# Altium PCB PCB1.PcbDoc
Units mm, origin at the board's own origin, x right, y up, seen from the top; angles counter-clockwise.
Board outline 179.2 x 130.68 mm, 2 copper layers (Top Layer, Bottom Layer); 87 components, 67 nets, 264 pads, 24 vias.
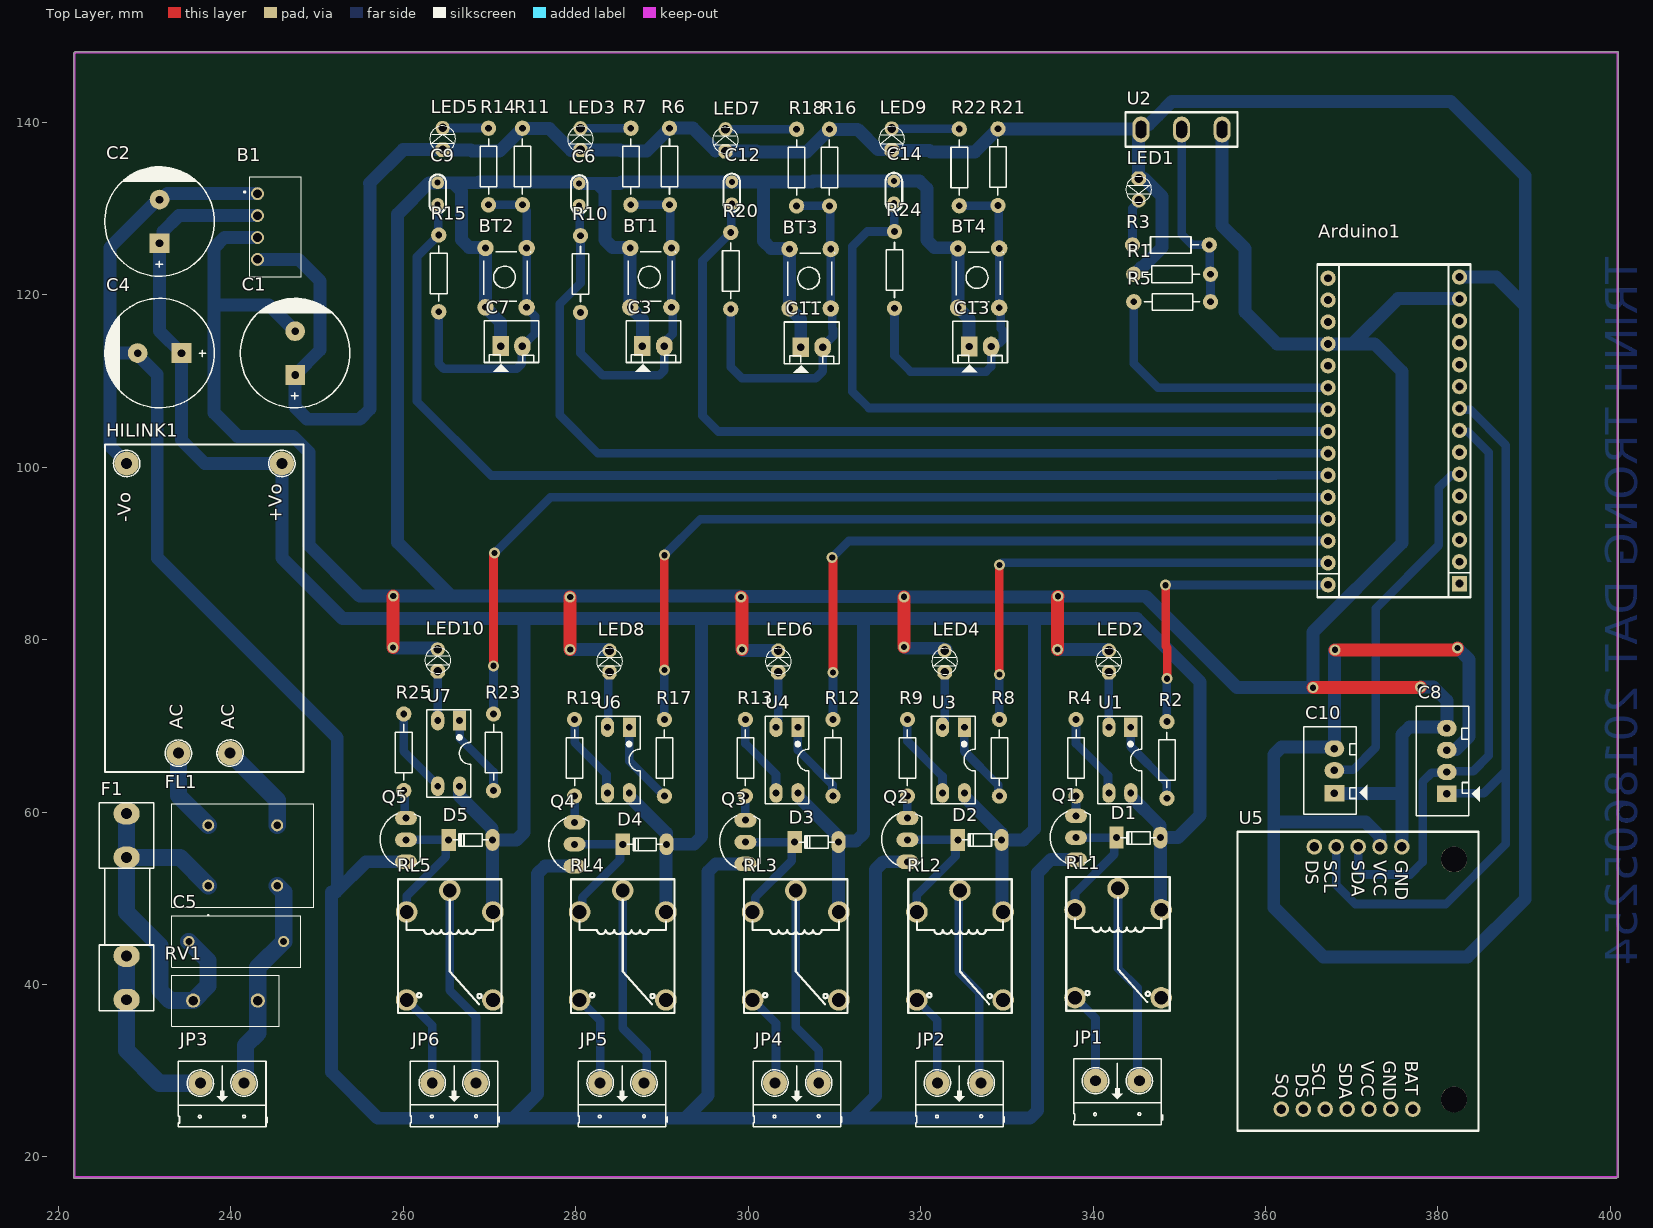
[diagram p0: Top Layer view]
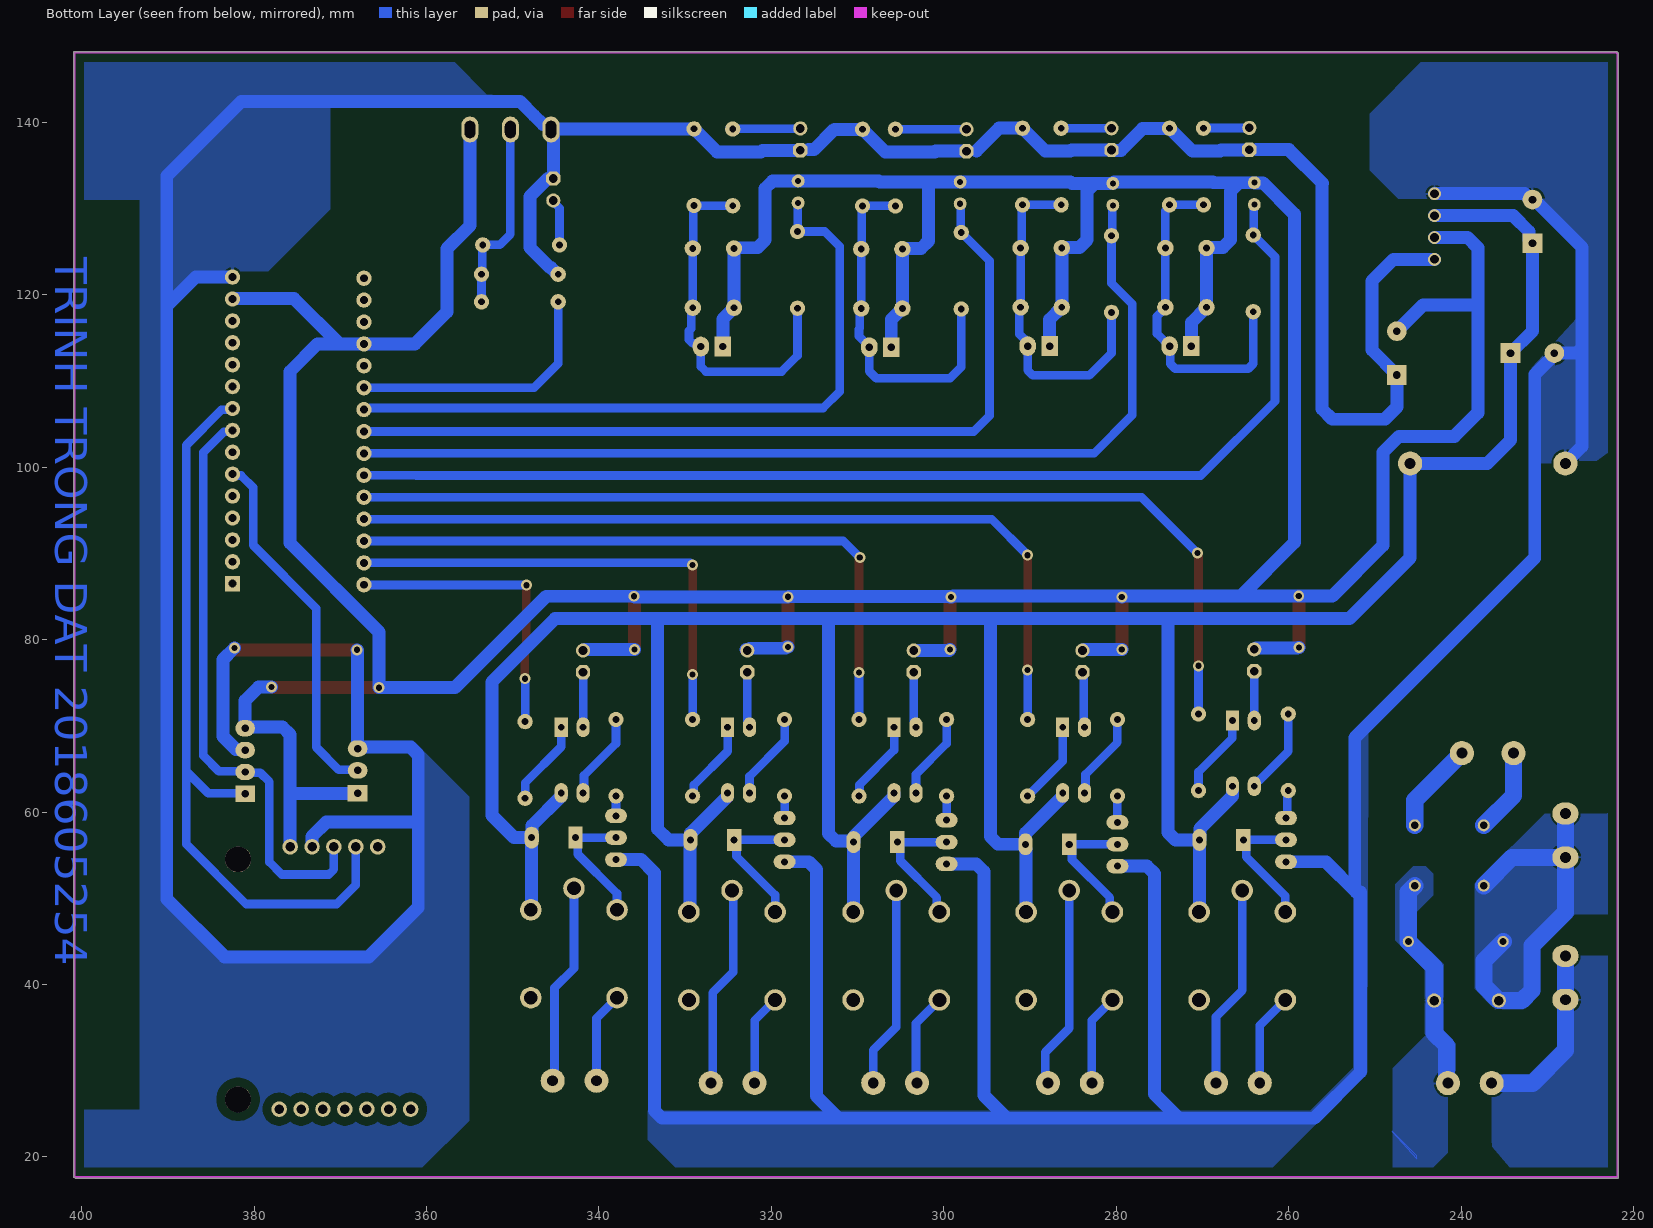
[diagram p1: Bottom Layer view, seen from below]

## Layer stack, top to bottom
Top Solder: solder mask 0.0102, Solder Resist, Dk 3.5
Top Layer: signal copper 0.0356
Dielectric 1: dielectric 0.32, FR-4, Dk 4.8
Bottom Layer: signal copper 0.0356
Bottom Solder: solder mask 0.0102, Solder Resist, Dk 3.5

## Board outline
221.742,17.653 221.742,147.955 cw(c221.869,147.955) 221.779,148.046 221.906,148.172 cw(c221.996,148.083) 221.996,148.209 400.812,148.209 cw(c400.812,148.082) 400.939,148.082 400.939,17.78 cw(c400.812,17.78) 400.902,17.689 400.775,17.563 cw(c400.685,17.652) 400.685,17.526 221.869,17.526 cw(c221.869,17.653)

## Design rules (kind name [scope] priority, off if disabled: settings)
Clearance [All] p1: gap=1 ignorepadtopadclearanceinfootprint=FALSE
PolygonConnect [All] p1: connectstyle=Relief reliefconductorwidth=0.254 reliefentries=4 polygonreliefangle="90 Angle" airgapwidth=0.254
RoutingVias [All] p1: holewidth=0.711 width=1.27 viastyle="Through Hole" minholewidth=0.711 minwidth=1.27 maxholewidth=0.711 maxwidth=1.27
SolderMaskExpansion [All] p1: expansion=0.102 istentingtop=FALSE
Width GND_ISO [InNet('GND_ISO')] p1: maxlimit=1.5 minlimit=1.5 preferedwidth=1.5
Width VCC_ISO [InNet('VCC5_ISO')] p2: maxlimit=1.5 minlimit=1.5 preferedwidth=1.5
Width 0V~ [InNet('0V~')] p3: maxlimit=2 minlimit=2 preferedwidth=2
Width 0V~F1 [InNet('0V~F1')] p4: maxlimit=2 minlimit=2 preferedwidth=2
Width 220V~ [InNet('220V~')] p5: maxlimit=2 minlimit=2 preferedwidth=2
Width 220V~F [InNet('220V~F')] p6: maxlimit=2 minlimit=2 preferedwidth=2
Width 220V~F1 [InNet('220V~F1')] p7: maxlimit=2 minlimit=2 preferedwidth=2
Width GND [InNet('GND')] p8: maxlimit=1.5 minlimit=1.5 preferedwidth=1.5
Width VCC [InNet('VCC5')] p9: maxlimit=1.5 minlimit=1.5 preferedwidth=1.5
Width SIGNAL [All] p10: maxlimit=1 minlimit=1 preferedwidth=1
30 further rules are at their usual default settings.

## Components (designator, comment, footprint, x,y, rotation, side; value= is the part's Value field where it differs from the comment)
Arduino1 "Arduino Nano" "Arduino Nano" 375.641,104.394 r0 top value="Cau 1A"
B1 "B0505S1W" B0505S1W 243.078,131.72 r270 top
BT1 "SET_CLOSE" "Nut Nhan 4 Chan Cam 6x6" 286.106,118.872 r90 top
BT2 "SET_CLOSE" "Nut Nhan 4 Chan Cam 6x6" 269.316,118.872 r90 top
BT3 "SET_CLOSE" "Nut Nhan 4 Chan Cam 6x6" 304.597,118.745 r90 top
BT4 "SET_CLOSE" "Nut Nhan 4 Chan Cam 6x6" 324.129,118.821 r90 top
C1 "Cap Pol3" CP2/5 247.447,110.693 r90 top value=C?
C2 "Cap Pol3" CP2/5 231.715,125.959 r90 top value=C?
C3 "Header2" Header2 287.731,114.046 r0 top
C4 "Cap Pol3" CP2/5 234.255,113.233 r180 top value=C?
C5 "R46KF3100JMP0K" R46KF3100JMP0K 246.114,44.983 r180 top
C6 "104" "tu gom" 280.391,131.648 r90 top
C7 "Header2" Header2 271.272,114.046 r0 top
C8 "LCD_I2C" Header4 381.038,62.103 r90 top
C9 "104" "tu gom" 263.982,131.724 r90 top
C10 "Header3" Header3 367.995,62.281 r90 top
C11 "Header2" Header2 306.095,113.919 r0 top
C12 "104" "tu gom" 298.094,131.826 r90 top
C13 "Header2" Header2 325.628,113.995 r0 top
C14 "104" "tu gom" 316.89,131.931 r90 top
D1 "100v" "DIODE 0.5A" 345.262,57.023 r0 top
D2 "100v" "DIODE 0.5A" 326.847,56.769 r0 top
D3 "100v" "DIODE 0.5A" 307.924,56.515 r0 top
D4 "100v" "DIODE 0.5A" 287.985,56.261 r0 top
D5 "100v" "DIODE 0.5A" 267.792,56.769 r0 top
F1 "F1A" Fuse 227.889,49.022 r90 top value=Fuse
FL1 "UU9.8-10MH" UU9810MH 237.364,51.46 r90 top
HILINK1 "HILINK" HILINK_1W 225.403,77.327 r90 top
JP1 "Header 2_1" HED2 345.362,28.829 r180 top value="Header 2"
JP2 "Header 2_1" HED2 327.025,28.575 r180 top value="Header 2"
JP3 "Header 2_1" HED2 241.523,28.55 r180 top value="Header 2"
JP4 "Header 2_1" HED2 308.178,28.575 r180 top value="Header 2"
JP5 "Header 2_1" HED2 287.909,28.575 r180 top value="Header 2"
JP6 "Header 2_1" HED2 268.427,28.575 r180 top value="Header 2"
LED1 "LED 3mm" LED-3MM-BLUE 345.287,132.08 r270 top
LED2 "LED 3mm" LED-3MM-BLUE 341.833,77.597 r90 top
LED3 "LED 3mm" LED-3MM-BLUE 280.543,138.176 r90 top
LED4 "LED 3mm" LED-3MM-BLUE 322.783,77.597 r90 top
LED5 "LED 3mm" LED-3MM-BLUE 264.555,138.214 r90 top
LED6 "LED 3mm" LED-3MM-BLUE 303.479,77.597 r90 top
LED7 "LED 3mm" LED-3MM-BLUE 297.358,138.049 r90 top
LED8 "LED 3mm" LED-3MM-BLUE 283.921,77.597 r90 top
LED9 "LED 3mm" LED-3MM-BLUE 316.636,138.151 r90 top
LED10 "LED 3mm" LED-3MM-BLUE 263.982,77.724 r90 top
Q1 "C1815" C1815_cam 338.023,57.023 r90 top
Q2 "C1815" C1815_cam 318.465,56.769 r90 top
Q3 "C1815" C1815_cam 299.669,56.515 r90 top
Q4 "C1815" C1815_cam 279.857,56.261 r90 top
Q5 "C1815" C1815_cam 260.299,56.769 r90 top
R1 "47K" R1/4W 353.619,122.377 r180 top value="R1/4W - 1K"
R2 "100R" R1/4W 348.564,70.485 r270 top value="R1/4W - 1K"
R3 "100R" R1/4W 353.467,125.781 r180 top value="R1/4W - 1K"
R4 "510R" R1/4W 338.023,70.739 r270 top value="R1/4W - 1K"
R5 "1K" R1/4W 344.729,119.177 r0 top value="R1/4W - 1K"
R6 "47K" R1/4W 290.868,130.429 r90 top value="R1/4W - 1K"
R7 "100R" R1/4W 286.385,130.429 r90 top value="R1/4W - 1K"
R8 "100R" R1/4W 329.133,70.739 r270 top value="R1/4W - 1K"
R9 "510R" R1/4W 318.465,70.739 r270 top value="R1/4W - 1K"
R10 "4.7K" R1/4W 280.543,126.848 r270 top value="R1/4W - 1K"
R11 "47K" R1/4W 273.812,130.429 r90 top value="R1/4W - 1K"
R12 "100R" R1/4W 309.829,70.739 r270 top value="R1/4W - 1K"
R13 "510R" R1/4W 299.669,70.739 r270 top value="R1/4W - 1K"
R14 "100R" R1/4W 269.875,130.429 r90 top value="R1/4W - 1K"
R15 "4.7K" R1/4W 264.098,126.924 r270 top value="R1/4W - 1K"
R16 "47K" R1/4W 309.423,130.302 r90 top value="R1/4W - 1K"
R17 "100R" R1/4W 290.271,70.739 r270 top value="R1/4W - 1K"
R18 "100R" R1/4W 305.613,130.302 r90 top value="R1/4W - 1K"
R19 "510R" R1/4W 279.857,70.739 r270 top value="R1/4W - 1K"
R20 "4.7K" R1/4W 297.98,127.229 r270 top value="R1/4W - 1K"
R21 "47K" R1/4W 328.968,130.353 r90 top value="R1/4W - 1K"
R22 "100R" R1/4W 324.485,130.327 r90 top value="R1/4W - 1K"
R23 "510R" R1/4W 270.459,71.374 r270 top value="R1/4W - 1K"
R24 "4.7K" R1/4W 316.967,127.33 r270 top value="R1/4W - 1K"
R25 "510R" R1/4W 260.045,71.374 r270 top value="R1/4W - 1K"
RL1 "Relay" RELAY_SRA_05VDC_CL 342.898,44.704 r270 top
RL2 "Relay" RELAY_SRA_05VDC_CL 324.561,44.45 r270 top
RL3 "Relay" RELAY_SRA_05VDC_CL 305.511,44.45 r270 top
RL4 "Relay" RELAY_SRA_05VDC_CL 285.445,44.45 r270 top
RL5 "Relay" RELAY_SRA_05VDC_CL 265.379,44.45 r270 top
RV1 "10D561K" 10D561K 243.114,38.125 r180 top
U1 "PC817" DIP4/W0.3 344.373,69.837 r180 top
U2 "SPDT SWITCH MTS-102" "SPDT SWITCH  MTS-102" 350.264,139.168 r180 top
U3 "PC817" DIP4/W0.3 325.069,69.837 r180 top
U4 "PC817" DIP4/W0.3 305.765,69.837 r180 top
U5 "DS1307_Module" "DS1307 MODULE" 386.506,53.029 r270 top
U6 "PC817" DIP4/W0.3 286.207,69.837 r180 top
U7 "PC817" DIP4/W0.3 266.522,70.612 r180 top

## Footprints (in the part's own frame and the unit in brackets; to place one, negate y for a bottom-side part, rotate by r counter-clockwise, add the part's x,y. Pads: shape width x height; smd on the part's side, far side on the other; paste and mask are expansions set on the pad)
10D561K [mm]
  round 1.65 hole 1.1: 1(0,0) 2(7.5,0)
  silkscreen extent -2.5,-2.95 10,2.95, body extent -2.5,-2.95 10,2.95, height 15.6
"Arduino Nano" [mil]
  round 70 hole 36: 3V3(270,-605) 5V(270,395) A0(270,-405) A1(270,-305) A2(270,-205) A3(270,-105) A4(270,-5) A5(270,95) A6(270,195) A7(270,295) D2(-330,290) D3(-330,190) D4(-330,90) D5(-330,-10) D6(-330,-110) D7(-330,-210) D8(-330,-310) D9(-330,-410) D10(-330,-510) D11(-330,-610) D12(-330,-710) GND(-330,390) GND(270,595) REF(270,-505) RST(-330,490) RST(270,495) RX0(-330,590) TX1(-330,690) VIN(270,695)
  rect 70x70 hole 36: D13(270,-705)
  silkscreen extent -380,-770 320,755, body extent -380,-924 320,844, height 834
B0505S1W [mm]
  round 1.5 hole 1: 1(0,0) 2(2.54,0) 3(5.08,0) 4(7.62,0)
  silkscreen extent -1.99,-1.6 9.61,5.1, body extent -1.99,-0.9 9.61,5.1, height 10.1
C1815_cam [mil]
  oval 66x100 hole 32: 1(-100,0) 2(0,0) 3(100,0)
  silkscreen extent -117,-65 120,118, body extent -109,-66 109,95, height 245
CP2/5 [mil]
  rect 90x90 hole 35: 1(0,0)
  round 90 hole 35: 2(200,0)
  silkscreen extent -150,-250 350,250, body extent -142,-246 350,246, height 984
"DIODE 0.5A" [mil] "Diode muoi, xung"
  oval 65x100 hole 32: 1(100,0)
  rect 65x100 hole 32: 2(-100,0)
  silkscreen extent -80,-30 80,28, body extent -108,-33 108,32, height 61
DIP4/W0.3 [mil]
  rect 60x90 hole 31: 1(0,0)
  oval 60x90 hole 31: 2(100,0) 3(100,300) 4(0,300)
  silkscreen extent -50,-50 150,350, body extent -59,-10 159,305, height 170
"DS1307 MODULE" [mm]
  round 1.8 hole 1.1: 1(-2.938,-10.688) 2(-2.938,-13.228) 3(-2.938,-15.768) 4(-2.938,-18.308) 5(-2.938,-20.848) 6(27.502,-24.658) 7(27.502,-22.118) 8(27.502,-19.578) 9(27.502,-17.038) 10(27.502,-14.498) 11(27.502,-11.958) 12(27.502,-9.418)
  round 3 hole 3 unplated: ""(-1.488,-4.648) ""(26.362,-4.648)
  silkscreen extent -4.69,-29.74 30,-1.8
Fuse [mil]
  oval 100x120 hole 50: 1(-425,0) 1(-225,0) 2(225,0) 2(425,0)
  silkscreen extent -475,-125 475,125, body extent -448,-117 459,127, height 378
Header2 [mil] "CON2"
  rect 75x90 hole 34: 1(0,0)
  oval 75x90 hole 34: 2(100,0)
  silkscreen extent -75,-118 175,115, body extent -68,-70 168,107, height 236
Header3 [mil] "CON 3"
  rect 75x90 hole 34: 1(-5,0)
  oval 75x90 hole 34: 2(100,0) 3(200,0)
  silkscreen extent -100,-150 300,140, body extent -95,-90 295,136, height 276
Header4 [mil] "CON4"
  rect 75x90 hole 34: 1(0,0)
  oval 75x90 hole 34: 2(100,0) 3(200,0) 4(300,0)
  silkscreen extent -100,-150 400,140, body extent -90,-90 398,136, height 276
HED2 [mil]
  round 110 hole 50: 1(0,0) 2(200,0)
  silkscreen extent -106,-100 300,200, body extent -92,-140 302,155, height 394
HILINK_1W [mil]
  round 110 hole 50: 1(-413.39,-334.65) 2(-413.39,-570.87) 3(909.45,-98.43) 4(909.45,-807.09)
  silkscreen extent -500,-906 996,0, body extent -505,-911 1001,5
LED-3MM-BLUE [mil]
  oct 65x65 hole 40: 1(-55,0)
  round 65 hole 40: 2(45,0)
  silkscreen extent -64,-59 54,59, body extent -72,-65 54,65, height 184
"Nut Nhan 4 Chan Cam 6x6" [mil] "SW button 4pin, 250 x250 mil"
  round 75 hole 31: 1(-13,-8) 1(258,-8) 2(-13,-196) 2(258,-196)
  silkscreen extent 15,-215 240,0, body extent -31,-225 281,19, height 276
R1/4W [mil]
  round 70 hole 31: 1(0,0) 2(350,0)
  silkscreen extent 48,-38 302,38, body extent -40,-47 386,47, height 111
R46KF3100JMP0K [mm]
  round 1.3 hole 0.8: 1(0,0) 2(11,0)
  silkscreen extent -2,-3 13,3
RELAY_SRA_05VDC_CL [mm]
  round 2.5 hole 1.6: 1(6.25,-5) 2(6.25,5) 3(-3.951,5) 4(-6.45,-0.001) 5(-3.951,-5)
  silkscreen extent -7.75,-6 7.75,6
"SPDT SWITCH  MTS-102" [mm]
  oval 2x3 hole 1.25 slot 2 at 90 deg: 1(-0.005,0.004)
  oval 2x3 hole 1.25 slot 2.002 at 90 deg: 2(-4.701,0.001) 3(4.699,0.001)
  silkscreen extent -6.5,-2 6.5,2
"tu gom" [mm] "Tu gom mini"
  round 1.5 hole 0.7: 1(-1.27,0) 2(1.27,0)
  silkscreen extent -2.25,-0.97 2.22,0.97, body extent -2.92,-0.85 2.92,0.85, height 6.12
UU9810MH [mm]
  round 1.4 hole 0.9: 1(0,0) 2(7,0) 3(7,-8) 4(0,-8)
  silkscreen extent -3.5,-12.25 9.5,4.25, body extent -2.5,-12.25 9.5,4.25, height 17.1

## Part data
Arduino1: "Arduino NANO"
B1: "Power Supply", Manufacturer_Name=Mornsun, Manufacturer_Part_Number=B0505S-1W, Datasheet Link=https://www.mornsun-power.com/uploads/pdf/B_D-1W.pdf, Height=10.41mm
BT1 BT2 BT3 BT4: library part "Nut Nhan 4 Chan Cam 6x6", "Nut Nhan 4 Chan 6x6mm", Ma_Hang=MH004584, Ten="Nút Nhấn 4 Chân 6x6x5MM DIP"
C1 C2 C4: "Polarized Capacitor (Surface Mount)", LatestRevisionDate=17-Jul-2002, LatestRevisionNote="Re-released for DXP Platform.", PackageReference=C0805, Publisher="Altium Limited"
C3 C7 C11 C13: "Header IDC, 2 x 1 Pin Vertical 2.54mm Pitch (Non-Boxed, Male)", Manufacturer="W¨¹rth Elektronik eiSos GmbH", partNo=613002143121, ComponentLink1 Description=Manufacturer, ComponentLink1URL=http://www.we-online.com, ComponentLink2 Description=Datasheet, ComponentLink2URL=http://katalog.we-online.de/em/datasheet/6130xx143121.pdf, Created by="Karrer Zheng", Created Date="29 March 2013", NoPins=02
C5: "Capacitor", Manufacturer_Name=Kemet, Mouser Part Number=80-R46KF3100JMP0K, Datasheet Link=https://api.kemet.com/component-edge/download/specsheet/R46KF3100JMP0K.pdf, Height=12.1mm, Manufacturer_Part_Number=R46KF3100JMP0K, Mouser Price/Stock=https://www.mouser.co.uk/ProductDetail/KEMET/R46KF3100JMP0K/?qs=gt1LBUVyoHk5JqGpZKIGRw%3D%3D
C6 C9 C12 C14: library part "Tu gom 104 50V", "Cắm", Chung_Loai=Cắm, Don_Vi=Con, Ma_Hang=MH004761, So_Chan=2, Ten_Linh_Kien="Tụ gốm 104 100nF 50V"
C8: library part Header4, "Header IDC, 4 x 1 Pin Vertical 2.54mm Pitch (Non-Boxed, Male)", Manufacturer="W¨¹rth Elektronik eiSos GmbH", partNo=613002143121, ComponentLink1 Description=Manufacturer, ComponentLink1URL=http://www.we-online.com, ComponentLink2 Description=Datasheet, ComponentLink2URL=http://katalog.we-online.de/em/datasheet/6130xx143121.pdf, Created by="Karrer Zheng", Created Date="29 March 2013", NoPins=02
C10: "Header IDC, 3 x 1 Pin Vertical 2.54mm Pitch (Non-Boxed, Male)", Manufacturer="W¨¹rth Elektronik eiSos GmbH", partNo=613002143121, ComponentLink1 Description=Manufacturer, ComponentLink1URL=http://www.we-online.com, ComponentLink2 Description=Datasheet, ComponentLink2URL=http://katalog.we-online.de/em/datasheet/6130xx143121.pdf, Created by="Karrer Zheng", Created Date="29 March 2013", NoPins=02
D1 D2 D3 D4 D5: library part "Diode 1N4148", "Cắm", Chung_Loai=Cắm, Don_Vi=Con, Ma_Hang=MH001065, Ten_Linh_Kien="Diode 1N4148 DO35 450mA 100V ( 1N4148 DIP)"
F1: library part Fuse, "Fuse", Designed by=VanDungEvn
FL1: "Filter", Manufacturer_Name="Guangdong Fenghua Advanced Tech", Datasheet Link=https://datasheet.lcsc.com/szlcsc/1811111206_Guangdong-Fenghua-Advanced-Tech-UU9-8-10mH_C148474.pdf, Height=17mm, Manufacturer_Part_Number=UU9.8-10MH
JP1 JP2 JP3 JP4 JP5 JP6: "Header, 2-Pin", Manufacturer="Generic Components", Class=Connector
LED1 LED2 LED3 LED4 LED5 LED6 LED7 LED8 LED9 LED10: library part "LED 3mm Xanh Duong", "Cắm", Chung_Loai=Cắm, Don_Vi=Con, Ma_Hang=MH009003, Ten_Linh_Kien="LED 3MM Xanh Dương SS (1000c)"
Q1 Q2 Q3 Q4 Q5: "NPN 600mW, ECB"
R1 R2 R3 R4 R5 R6 R7 R8 R9 R10 R11 R12 R13 R14 R15 R16 R17 R18 R19 R20 R21 R22 R23 R24 R25: library part R1/4W, "Resistor 1/4W"
RL1 RL2 RL3 RL4 RL5: library part RL_SRA-05VDC-CL, "Relay 5 Chan", Ma_Hang=MH009374, Ten="Relay 5V10A SRD-05VDC-SL-C Chính Hãng"
RV1: "Varistor", Arrow Part Number=MOV-10D561K, Manufacturer_Name=Bourns, Mouser Part Number=652-MOV-10D561K, Arrow Price/Stock=https://www.arrow.com/en/products/mov-10d561k/bourns, Datasheet Link=https://www.bourns.com/docs/Product-Datasheets/MOV10D.pdf, Height=15.5mm, Manufacturer_Part_Number=MOV-10D561K, Mouser Price/Stock=https://www.mouser.co.uk/ProductDetail/Bourns/MOV-10D561K?qs=lgttKnAd%252B2ArrqGQgWwr6w%3D%3D
U1 U3 U4 U6 U7: "Single Opto"

## Via types
v1: diameter 1.27, hole 0.711, Top Layer to Bottom Layer, 24 vias

## Nets (pads, with @x,y where several pads share a name; then routed paths per layer and width w, separated by ;. In a path a pad name is that pad's centre, name@x,y a point inside that pad or via, vN(x,y) a via of type N, cw(c..) or ccw(c..) an arc to the next point about the centre after c; other vN are vias at no path point)
0V~: C5.1 FL1.4 JP3.1 RV1.1 | length 25.1
  Bottom Layer w2: JP3.1 241.675,28.702 241.675,32.916 243.114,34.355 RV1.1 243.114,41.983 C5.1 246.114,50.71 FL1.4
0V~F1: FL1.3 HILINK1.2 | length 10.6
  Bottom Layer w2: HILINK1.2 245.364,61.366 FL1.3
220V~: F1.1 JP3.2 | length 21.1
  Bottom Layer w2: F1.1@227.889,43.307 227.889,38.227 227.889,32.36 231.699,28.55 JP3.2
220V~F: C5.2 F1.2 FL1.1 RV1.2 | length 45.8
  Bottom Layer w2: F1.2@227.889,59.817 F1.2@227.889,54.737 ; C5.2 237.338,42.76 237.338,39.849 RV1.2 232.947,38.125 231.775,39.297 231.775,44.501 227.889,48.387 F1.2@227.889,54.737 ; FL1.1 234.087,54.737 F1.2@227.889,54.737
220V~F1: FL1.2 HILINK1.1 | length 9.8
  Bottom Layer w2: HILINK1.1 233.903,61.921 FL1.2
GND: B1.1 C2.2 C4.2 HILINK1.3 Q1.1 Q2.1 Q3.1 Q4.1 Q5.1 | length 370.8
  Bottom Layer w1.5: 225.958,113.513 225.958,102.41 227.903,100.466 HILINK1.3 ; B1.1 232.609,131.72 231.928,131.039 231.502,131.039 225.958,125.495 225.958,113.868 226.593,113.233 C4.2 229.175,113.021 231.447,110.749 231.447,89.482 252.326,68.603 252.326,50.875 ; 251.663,50.722 251.663,29.845 257.025,24.483 272.745,24.483 ; 252.173,50.722 255.68,54.229 Q5.1 ; Q4.1 276.418,53.721 275.539,52.842 275.539,27.277 272.745,24.483 ; Q3.1 296.23,53.975 295.351,53.096 295.351,27.15 292.684,24.483 ; Q2.1 315.661,54.229 314.782,53.35 314.782,27.051 312.242,24.511 ; Q1.1 335.102,54.483 333.578,52.959 333.578,25.39 332.7,24.511 312.242,24.511 ; 272.745,24.483 292.684,24.483 ; 292.684,24.483 312.214,24.483 312.242,24.511
GND_ISO: Arduino1.GND B1.3 BT1.1 BT2.1 BT3.1 BT4.1 C1.2 C3.1 C6.2 C7.1 C8.4 C9.2 C10.1 C11.1 C12.2 C13.1 C14.2 LED2.2 LED4.2 LED6.2 LED8.2 LED10.2 U2.2 U5.1 | length 582
  Top Layer w1.5: v1(258.801,79.07) 258.801,85.014 v1(258.826,85.039) ; v1(279.349,78.867) v1(279.349,84.923) ; v1(299.161,84.923) 299.288,84.796 v1(299.288,78.867) ; v1(318.084,79.121) v1(318.084,84.963) ; v1(335.864,78.867) 335.864,84.963 v1(335.928,85.026) ; v1(365.495,74.422) 377.901,74.422 v1(377.977,74.498)
  Bottom Layer w1.5: B1.3 239.238,126.64 238.049,125.451 238.049,118.694 ; C1.2 244.427,118.793 238.148,118.793 238.049,118.694 ; v1(258.801,79.07) 258.928,79.07 258.978,79.019 263.789,79.019 263.941,78.867 LED10.2 ; C7.1 271.272,116.789 269.519,118.542 269.519,125.425 269.442,125.503 267.616,125.503 266.737,126.381 266.737,132.017 265.76,132.994 ; v1(279.349,78.867) 283.753,78.867 283.88,78.74 LED8.2 ; C3.1 287.731,117.119 286.309,118.542 286.309,125.425 286.231,125.503 284.241,125.503 283.362,126.381 283.362,132.04 282.484,132.918 ; v1(299.288,78.867) 299.415,78.74 LED6.2 ; C11.1 306.095,117.119 304.8,118.415 304.8,125.298 304.723,125.376 302.631,125.376 301.752,126.254 301.752,132.69 301.346,133.096 ; v1(318.084,79.121) 318.211,79.121 318.338,78.994 322.488,78.994 322.742,78.74 LED4.2 322.824,78.74 LED4.2@322.951,78.867 ; LED4.2@322.812,78.81 LED4.2@322.846,78.776 ; C13.1 325.628,117.196 324.333,118.491 324.333,125.374 324.255,125.452 321.604,125.452 320.726,126.331 320.726,132.322 319.847,133.201 C14.2 307.545,133.201 307.44,133.096 301.346,133.096 ; v1(335.864,78.867) 341.665,78.867 341.792,78.74 LED2.2 ; U2.2 354.965,128.015 357.645,125.336 357.645,117.996 361.34,114.3 367.259,114.3 370.129,114.3 ; C10.1 375.666,62.154 375.818,62.001 ; U5.1 375.818,62.001 ; v1(377.977,74.498) 379.465,74.498 381.038,72.925 C8.4 380.837,69.723 380.71,69.85 376.697,69.85 375.818,68.971 375.818,62.001 ; Arduino1.GND@382.499,119.507 382.459,119.547 375.376,119.547 370.129,114.3 ; 238.049,118.694 238.049,106.299 240.773,103.574 247.207,103.574 249.05,101.731 249.05,90.929 254.94,85.039 v1(258.826,85.039) 265.554,85.039 265.557,85.042 ; 265.557,85.042 279.23,85.042 v1(279.349,84.923) 279.491,85.065 298.933,85.065 299.074,84.923 299.248,84.923 299.339,85.014 318.033,85.014 v1(318.084,84.963) 335.864,84.963 v1(335.928,85.026) 346.113,85.026 356.718,74.422 v1(365.495,74.422) 365.495,80.864 375.844,91.213 375.844,111.1 372.643,114.3 370.129,114.3 ; 265.557,85.042 259.334,91.265 259.334,129.342 262.947,132.954 263.942,132.954 C9.2 265.76,132.994 ; 265.76,132.994 268.708,132.994 268.782,133.068 280.241,133.068 C6.2 282.484,132.918 ; 282.484,132.918 285.142,132.918 285.32,133.096 C12.2 301.346,133.096
INC: Arduino1.D5 C12.1 R20.1 | length 99.3
  Bottom Layer w1: C12.1 298.037,130.499 298.037,127.286 R20.1 294.691,123.939 294.691,105.969 296.52,104.14 Arduino1.D5
LIGHT_SS: Arduino1.A2 C10.2 | length 42.1
  Bottom Layer w1: C10.2 368.083,64.908 370.197,64.908 372.796,67.507 372.796,83.617 380.11,90.931 380.11,97.637 381.511,99.038 382.35,99.038 Arduino1.A2
MODE: Arduino1.D3 R5.1 | length 30.8
  Bottom Layer w1: R5.1 344.729,112.014 347.523,109.22 Arduino1.D3
NetBT1_2: BT1.2 C3.2 R6.1 R7.1 R10.2 | length 40
  Bottom Layer w1: R10.2 280.543,113.228 283.129,110.642 289.685,110.642 290.271,111.228 290.271,114.481 291.236,115.447 291.236,118.389 291.084,118.542 291.084,125.425 290.976,125.533 290.976,130.321 R6.1 R7.1
NetBT2_2: BT2.2 C7.2 R11.1 R14.1 R15.2 | length 39.8
  Bottom Layer w1: R15.2 264.098,111.989 264.684,111.403 273.15,111.403 273.736,111.989 273.736,113.97 275.26,115.494 275.26,117.504 274.295,118.469 274.295,118.542 274.295,125.425 274.295,129.736 273.812,130.218 R11.1 R14.1
NetBT3_2: BT3.2 C11.2 R16.1 R18.1 R20.2 | length 41.9
  Bottom Layer w1: R20.2 297.993,118.326 297.993,111.582 299.263,110.312 307.823,110.312 308.635,111.125 C11.2 308.635,113.995 309.829,115.189 309.829,116.017 309.748,116.098 309.748,118.242 309.575,118.415 309.575,125.298 309.499,125.374 309.499,130.226 R16.1 R18.1
NetBT4_2: BT4.2 C13.2 R21.1 R22.1 R24.2 | length 42
  Bottom Layer w1: R24.2 316.967,112.945 318.822,111.089 327.582,111.089 328.168,111.675 C13.2 328.532,114.359 329.132,114.359 329.556,114.783 329.556,115.798 329.281,116.073 329.281,118.318 329.108,118.491 329.108,125.374 329.038,125.444 329.038,130.283 R21.1 328.955,130.34 324.497,130.34 R22.1
NetD1_2: D1.2 Q1.2 RL1.5 | length 15.1
  Bottom Layer w1: RL1.5 337.898,50.548 342.455,55.105 342.455,56.756 D1.2 Q1.2
NetD2_2: D2.2 Q2.2 RL2.5 | length 16.2
  Bottom Layer w1: Q2.2 D2.2 324.04,56.502 324.04,54.851 319.561,50.372 RL2.5
NetD3_2: D3.2 Q3.2 RL3.5 | length 15.8
  Bottom Layer w1: Q3.2 D3.2 305.059,56.19 305.059,54.338 300.798,50.077 300.798,48.688 RL3.5
NetD4_2: D4.2 Q4.2 RL4.5 | length 15.5
  Bottom Layer w1: Q4.2 D4.2 285.12,55.936 285.12,54.465 280.732,50.077 280.732,48.688 RL4.5
NetD5_2: D5.2 Q5.2 RL5.5 | length 15.3
  Bottom Layer w1: Q5.2 D5.2 264.927,56.444 264.927,54.793 260.402,50.267 260.402,48.423 RL5.5
NetJP1_1: JP1.1 RL1.4 | length 23.3
  Bottom Layer w1: RL1.4 342.897,41.862 345.148,39.611 345.148,29.043 JP1.1
NetJP1_2: JP1.2 RL1.1 | length 10.6
  Bottom Layer w1: RL1.1 340.282,36.07 JP1.2
NetJP2_1: JP2.1 RL2.4 | length 23.5
  Bottom Layer w1: RL2.4 324.434,50.774 324.434,41.402 326.811,39.025 326.811,28.789 JP2.1
NetJP2_2: JP2.2 RL2.1 | length 10.6
  Bottom Layer w1: RL2.1 321.945,35.816 JP2.2
NetJP4_1: JP4.1 RL3.4 | length 23.4
  Bottom Layer w1: RL3.4 305.51,35.053 308.178,32.385 JP4.1
NetJP4_2: JP4.2 RL3.1 | length 10.8
  Bottom Layer w1: RL3.1 303.225,35.486 303.225,28.702 JP4.2
NetJP5_1: JP5.1 RL4.4 | length 23.6
  Bottom Layer w1: RL4.4 285.444,34.926 288.239,32.131 288.239,28.905 JP5.1
NetJP5_2: JP5.2 RL4.1 | length 10.6
  Bottom Layer w1: RL4.1 282.829,35.816 JP5.2
NetJP6_1: JP6.1 RL5.4 | length 23.6
  Bottom Layer w1: RL5.4 265.378,39.312 268.427,36.263 JP6.1
NetJP6_2: JP6.2 RL5.1 | length 10.9
  Bottom Layer w1: RL5.1 263.347,35.232 JP6.2
NetLED1_2: LED1.2 R3.2 | length 5.5
  Bottom Layer w1: R3.2 344.577,130.05 345.287,130.761 LED1.2
NetLED2_1: LED2.1 U1.2 | length 6.4
  Bottom Layer w1: U1.2 LED2.1
NetLED3_2: LED3.2 R7.2 | length 5.9
  Bottom Layer w1: LED3.2@280.518,139.167 LED3.2@280.556,139.205 ; LED3.2 R7.2 R7.2@286.347,139.281
NetLED4_1: LED4.1 U3.2 | length 6.5
  Bottom Layer w1: U3.2 322.529,70.36 322.783,70.614 LED4.1
NetLED5_2: LED5.2 R14.2 | length 5.3
  Bottom Layer w1: LED5.2 264.574,139.338 269.856,139.338 R14.2
NetLED6_1: LED6.1 U4.2 | length 6.5
  Bottom Layer w1: U4.2 303.225,70.36 303.479,70.614 LED6.1
NetLED7_2: LED7.2 R18.2 | length 8.3
  Bottom Layer w1: LED7.2 R18.2
NetLED8_1: LED8.1 U6.2 | length 6.5
  Bottom Layer w1: U6.2 283.767,69.938 283.767,76.046 LED8.1
NetLED9_2: LED9.2 R22.2 | length 8
  Bottom Layer w1: LED9.2@316.687,139.344 LED9.2 316.674,139.255 324.447,139.255 R22.2 ; R22.2@324.841,139.192 R22.2@324.891,139.243
NetLED10_1: LED10.1 U7.2 | length 5.7
  Bottom Layer w1: U7.2 LED10.1
NetQ1_3: Q1.3 R4.2 | length 2.3
  Bottom Layer w1: Q1.3 R4.2
NetQ2_3: Q2.3 R9.2 | length 2.5
  Bottom Layer w1: Q2.3 R9.2
NetQ3_3: Q3.3 R13.2 | length 2.8
  Bottom Layer w1: Q3.3 R13.2
NetQ4_3: Q4.3 R19.2 | length 3
  Bottom Layer w1: Q4.3 R19.2
NetQ5_3: Q5.3 R25.2 | length 3.5
  Bottom Layer w1: R25.2 260.172,62.357 260.172,59.436 Q5.3 Q5.3@260.05,59.309
NetR1_1: R1.1 R3.1 R5.2 U2.1 | length 22.5
  Bottom Layer w1: U2.1 350.269,127.022 351.51,125.781 R3.1 353.543,125.705 353.543,122.453 R1.1 R5.2
NetR2_2: R2.2 U1.1 | length 10
  Bottom Layer w1: U1.1 344.373,67.564 348.564,63.373 R2.2
NetR4_1: R4.1 U1.3 | length 10.1
  Bottom Layer w1: R4.1 338.023,67.945 341.733,64.235 341.733,62.318 U1.3
NetR8_2: R8.2 U3.1 | length 9.7
  Bottom Layer w1: U3.1 325.069,67.056 328.984,63.141 328.984,61.998 R8.2
NetR9_1: R9.1 U3.3 | length 10.2
  Bottom Layer w1: R9.1 318.465,68.199 322.529,64.135 U3.3
NetR12_2: R12.2 U4.1 | length 9.7
  Bottom Layer w1: U4.1 305.765,67.183 309.775,63.173 309.775,61.903 R12.2
NetR13_1: R13.1 U4.3 | length 10
  Bottom Layer w1: R13.1 299.669,67.945 303.225,64.389 U4.3
NetR17_2: R17.2 U6.1 | length 9.7
  Bottom Layer w1: U6.1 286.207,65.913 R17.2
NetR19_1: R19.1 U6.3 | length 10.1
  Bottom Layer w1: R19.1 279.857,68.072 283.567,64.362 283.567,62.318 U6.3
NetR23_2: R23.2 U7.1 | length 9.8
  Bottom Layer w1: U7.1 266.522,68.58 270.459,64.643 R23.2
NetR25_1: R25.1 U7.3 | length 10.1
  Bottom Layer w1: R25.1 260.045,67.032 263.443,63.635 263.578,63.635 263.982,63.231 U7.3
NEXT: Arduino1.D4 C14.1 R24.1 | length 81.8
  Bottom Layer w1: C14.1 316.928,130.623 316.928,127.368 R24.1 313.817,127.33 312.078,125.591 312.078,108.775 313.995,106.858 366.531,106.858 366.56,106.829 367.11,106.829 Arduino1.D4
RELAY_1: Arduino1.D8 R23.1 | length 118.1
  Top Layer w1: v1(270.459,76.962) 270.459,89.843 270.586,89.97 v1(270.586,90.043)
  Bottom Layer w1: R23.1 v1(270.459,76.962) ; v1(270.586,90.043) 277.063,96.52 Arduino1.D8
RELAY_2: Arduino1.D9 R17.1 | length 97.8
  Top Layer w1: v1(290.271,76.454) v1(290.271,89.789)
  Bottom Layer w1: R17.1 v1(290.271,76.454) ; v1(290.271,89.789) 294.462,93.98 Arduino1.D9
RELAY_3: Arduino1.D10 R12.1 | length 77.1
  Top Layer w1: v1(309.74,89.526) 309.74,89.453 309.829,89.363 v1(309.829,76.2)
  Bottom Layer w1: v1(309.74,89.526) 311.654,91.44 Arduino1.D10 ; R12.1 v1(309.829,76.2)
RELAY_4: Arduino1.D11 R8.1 | length 56.2
  Top Layer w1: v1(329.133,75.946) v1(329.133,88.67)
  Bottom Layer w1: R8.1 v1(329.133,75.946) ; v1(329.133,88.67) 329.206,88.67 329.436,88.9 Arduino1.D11
RELAY_5: Arduino1.D12 R2.1 | length 34.8
  Top Layer w1: v1(348.412,86.309) 348.412,79.243 348.59,79.066 v1(348.59,75.463)
  Bottom Layer w1: v1(348.412,86.309) 348.437,86.335 367.233,86.335 Arduino1.D12 ; R2.1 348.564,70.84 348.56,70.844 348.56,75.433 v1(348.59,75.463)
SCL: Arduino1.A5 C8.1 U5.4 | length 89.2
  Bottom Layer w1: U5.4 368.198,51.537 370.408,49.327 380.924,49.327 387.877,56.28 387.877,64.738 ; C8.1 381.126,62.19 385.329,62.19 387.877,64.738 ; Arduino1.A5 382.647,106.658 383.774,106.658 387.877,102.556 387.877,64.738
SDA: Arduino1.A4 C8.2 U5.3 | length 68.8
  Bottom Layer w1: U5.3 370.738,53.342 371.324,52.756 376.784,52.756 378.218,54.191 378.218,63.5 379.274,64.556 380.951,64.556 381.126,64.73 384.085,64.73 385.877,66.523 385.877,101.727 383.486,104.118 382.647,104.118 Arduino1.A4
SET_CLOSE: Arduino1.D6 C6.1 R10.1 | length 116.4
  Bottom Layer w1: C6.1 280.467,130.302 280.467,126.924 R10.1 280.543,121.336 278.13,118.923 278.13,106.047 282.577,101.6 Arduino1.D6
SET_OPEN: Arduino1.D7 C9.1 R15.1 | length 133.2
  Bottom Layer w1: C9.1 264.04,130.396 264.04,126.982 R15.1 261.584,124.409 261.584,107.63 270.18,99.035 361.2,99.035 361.225,99.06 Arduino1.D7
VCC5: B1.2 C2.1 C4.1 D1.1 D2.1 D3.1 D4.1 D5.1 HILINK1.4 RL1.3 RL2.3 RL3.3 RL4.3 RL5.3 U1.4 U3.4 U4.4 U6.4 U7.4 | length 388.5
  Bottom Layer w1.5: B1.2 233.947,129.18 232.108,127.34 232.108,126.352 C2.1 231.715,115.773 C4.1 234.255,103.133 236.961,100.427 HILINK1.4 245.903,89.479 252.959,82.423 274.015,82.423 ; U7.4 266.527,62.987 266.527,61.844 270.303,58.068 270.303,56.798 D5.1 ; RL5.3 270.379,48.839 270.356,48.863 270.356,56.746 D5.1 ; U6.4 286.207,61.836 290.496,57.547 290.496,56.29 D4.1 ; RL4.3 290.445,55.696 290.525,55.776 D4.1 ; U4.4 305.765,61.836 310.435,57.166 310.435,56.544 D3.1 ; RL3.3 310.488,48.424 310.488,56.492 D3.1 ; U3.4 325.069,61.836 329.358,57.547 329.358,56.798 D2.1 D2.1@329.416,56.769 ; RL2.3 329.416,48.546 D2.1@329.416,56.769 ; U1.4 344.373,61.836 347.773,58.436 347.773,57.052 D1.1 ; RL1.3 347.831,48.722 347.831,56.994 D1.1 ; D5.1 273.137,56.769 274.015,57.648 274.015,82.423 ; 274.015,82.423 294.589,82.423 ; D4.1 293.711,56.261 294.589,57.14 294.589,82.423 ; 294.589,82.423 313.385,82.423 ; D3.1 310.464,56.572 310.534,56.642 312.507,56.642 313.385,57.521 313.385,82.423 ; 313.385,82.423 332.943,82.423 ; D2.1@329.416,56.769 331.927,56.769 333.197,58.039 333.197,82.169 332.943,82.423 ; 332.943,82.423 345.084,82.423 352.425,75.082 352.425,59.614 349.834,57.023 D1.1
VCC5_ISO: Arduino1.VIN B1.4 C1.1 C8.3 C10.3 LED1.1 LED3.1 LED5.1 LED7.1 LED9.1 R1.2 R6.2 R11.2 R16.2 R21.2 U2.3 U5.2 | length 431.5
  Top Layer w1.5: v1(368.046,78.816) 382.077,78.816 v1(382.281,79.019)
  Bottom Layer w1.5: B1.4 247.858,124.1 250.34,121.618 250.34,113.586 C1.1 247.447,106.959 248.844,105.562 254.94,105.562 256.134,106.756 256.134,132.867 256.07,132.931 259.969,136.83 263.728,136.83 ; LED5.1@264.59,136.782 267.831,136.782 267.932,136.68 271.173,136.68 R11.2 273.865,139.266 276.94,139.266 279.463,136.743 LED3.1@280.238,136.743 ; LED3.1 285.193,136.779 285.292,136.68 288.229,136.68 R6.2 293.588,139.319 296.21,136.698 ; LED7.1 300.939,136.652 301.038,136.553 306.784,136.553 R16.2 312.699,139.192 315.036,136.855 315.671,136.855 ; LED9.1 321.044,136.754 321.219,136.578 326.304,136.578 R21.2 345.489,139.243 U2.3 ; R1.2 344.804,122.377 345.569,123.142 345.67,123.142 348.019,125.492 348.019,131.387 345.929,133.477 LED1.1 ; LED1.1@345.287,133.706 345.287,138.254 345.565,138.531 U2.3 ; v1(368.046,78.816) 367.995,78.765 C10.3 367.865,67.361 367.703,67.523 361.838,67.523 360.959,66.645 360.959,58.75 ; U5.2 373.278,57.175 371.628,58.826 361.035,58.826 360.959,58.75 ; C8.3 381.078,67.223 382.074,67.223 383.627,68.776 383.627,77.673 v1(382.281,79.019) ; Arduino1.VIN 386.766,122.047 390.127,118.686 ; U2.3 345.565,139.531 345.796,139.762 346.486,139.762 347.519,140.795 347.519,140.803 349.133,142.417 381.484,142.417 390.127,133.774 390.127,118.686 ; 360.959,58.75 360.959,48.946 366.7,43.205 383.413,43.205 390.127,49.919 390.127,118.686
pads on no net: Arduino1.3V3 Arduino1.5V Arduino1.A0 Arduino1.A1 Arduino1.A3 Arduino1.A6 Arduino1.A7 Arduino1.D2 Arduino1.D13 Arduino1.REF Arduino1.RST Arduino1.RX0 Arduino1.TX1 RL1.2 RL2.2 RL3.2 RL4.2 RL5.2 U5. U5.5 U5.6 U5.7 U5.8 U5.9 U5.10 U5.11 U5.12

## Polygon pours and split planes (outlines as drawn)
VCC5_ISO on Bottom Layer "VCC5_ISO_L02_P006" (solid, pour order 6): 349.707,142.951 353.085,143.281 357.81,148.006 357.835,147.98 400.812,147.98 400.812,17.958 400.66,17.805 361.417,17.805 361.417,17.856 355.067,24.206 355.067,61.747 361.62,68.301 362.179,67.742 362.179,66.802 361.467,66.091 361.467,48.92 367.003,43.384 383.821,43.384 390.042,49.606 389.814,49.835 389.814,119.101 389.712,119.101 386.105,122.707 378.384,122.707 371.17,129.921 371.17,142.011 350.164,142.011
GND on Bottom Layer "GND_L02_P007" (solid, pour order 7): 227.609,100.762 224.257,100.762 221.971,102.464 221.971,148.057 221.945,148.082 243.535,148.082 250.596,141.021 250.596,134.468 247.269,131.14 231.817,131.14 226.171,125.495 225.958,125.495 225.958,117.983 231.817,111.557 231.817,101.371 231.419,100.355 231.309,100.466 227.903,100.466
220V~ on Bottom Layer "220V~_L02_P001" (solid, pour order 1): 227.863,43.332 221.971,43.332 221.971,17.856 221.945,17.831 222.225,17.551 233.274,17.551 236.372,21.184 236.443,22.002 236.443,29.622 236.423,29.642 236.372,29.591 232.105,29.591 228.549,33.147 228.549,42.647
220V~F on Bottom Layer "220V~F_L02_P000" (solid, pour order 0): 230.302,59.817 238.43,51.689 238.43,39.472 236.068,37.109 232.766,37.109 232.766,37.236 230.784,39.218 230.784,44.171 226.797,48.158 221.945,48.158 221.945,58.776 223.012,59.842 223.037,59.817
GND on Bottom Layer "GND_L02_P005" (solid, pour order 5): 250.927,29.718 262.865,17.78 262.865,17.755 330.124,17.755 334.34,21.971 334.34,25.375 257.556,25.375 257.505,25.324 252.501,30.328 252.501,69.24 245.313,76.429 244.424,75.54 250.749,69.215 250.901,29.896
no net on Bottom Layer "NONET_L02_P004" (solid, pour order 4): 245.11,19.761 245.11,20.142 247.955,22.987 247.955,22.885
0V~ on Bottom Layer "0V~_L02_P002" (solid, pour order 2): 241.523,28.55 241.529,20.498 244.246,17.78 247.929,17.78 247.929,30.251 244.069,34.112 244.221,34.265 244.221,41.681 247.65,45.11 247.65,51.613 245.542,53.721 244.119,53.721 243.23,52.832 243.23,50.317 245.186,48.362 245.135,48.311 245.135,45.441 242.011,42.316 242.011,34.519 240.64,33.147 240.64,29.737 241.675,28.702

## Keep-outs
Keep-Out Layer:
  lines w0.254: 400.685,17.653 221.869,17.653 221.869,147.955 221.996,148.082 400.863,148.082 400.863,35.154 400.863,17.704 400.837,17.678

## Other copper
Bottom Layer:
  text "TRINH TRONG DAT 2018605254" at 404.323,124.333 h6.35 r90

## Text inside footprints (layer, text, board x,y; h text height)
HILINK1: Top Overlay "AC" at 234.403,69.627 h1.52 r90; Top Overlay "AC" at 240.403,69.627 h1.52 r90; Top Overlay "-Vo" at 228.403,93.627 h1.52 r90; Top Overlay "+Vo" at 245.903,93.627 h1.52 r90
U5: Top Overlay "GND" at 375.068,54.415 h1.5 r270; Top Overlay "VCC" at 372.528,54.415 h1.5 r270; Top Overlay "SDA" at 369.988,54.415 h1.5 r270; Top Overlay "SCL" at 366.814,54.415 h1.5 r270; Top Overlay "DS" at 364.655,54.415 h1.5 r270; Top Overlay "VCC" at 371.131,31.143 h1.5 r270; Top Overlay "DS" at 363.512,29.619 h1.5 r270; Top Overlay "SQ" at 361.227,29.671 h1.5 r266; Top Overlay "SDA" at 368.536,30.889 h1.5 r270; Top Overlay "SCL" at 365.417,30.889 h1.5 r270; Top Overlay "BAT" at 376.211,31.143 h1.5 r270; Top Overlay "GND" at 373.671,31.143 h1.5 r270